# KiCad board rps01.kicad_pcb (continued)
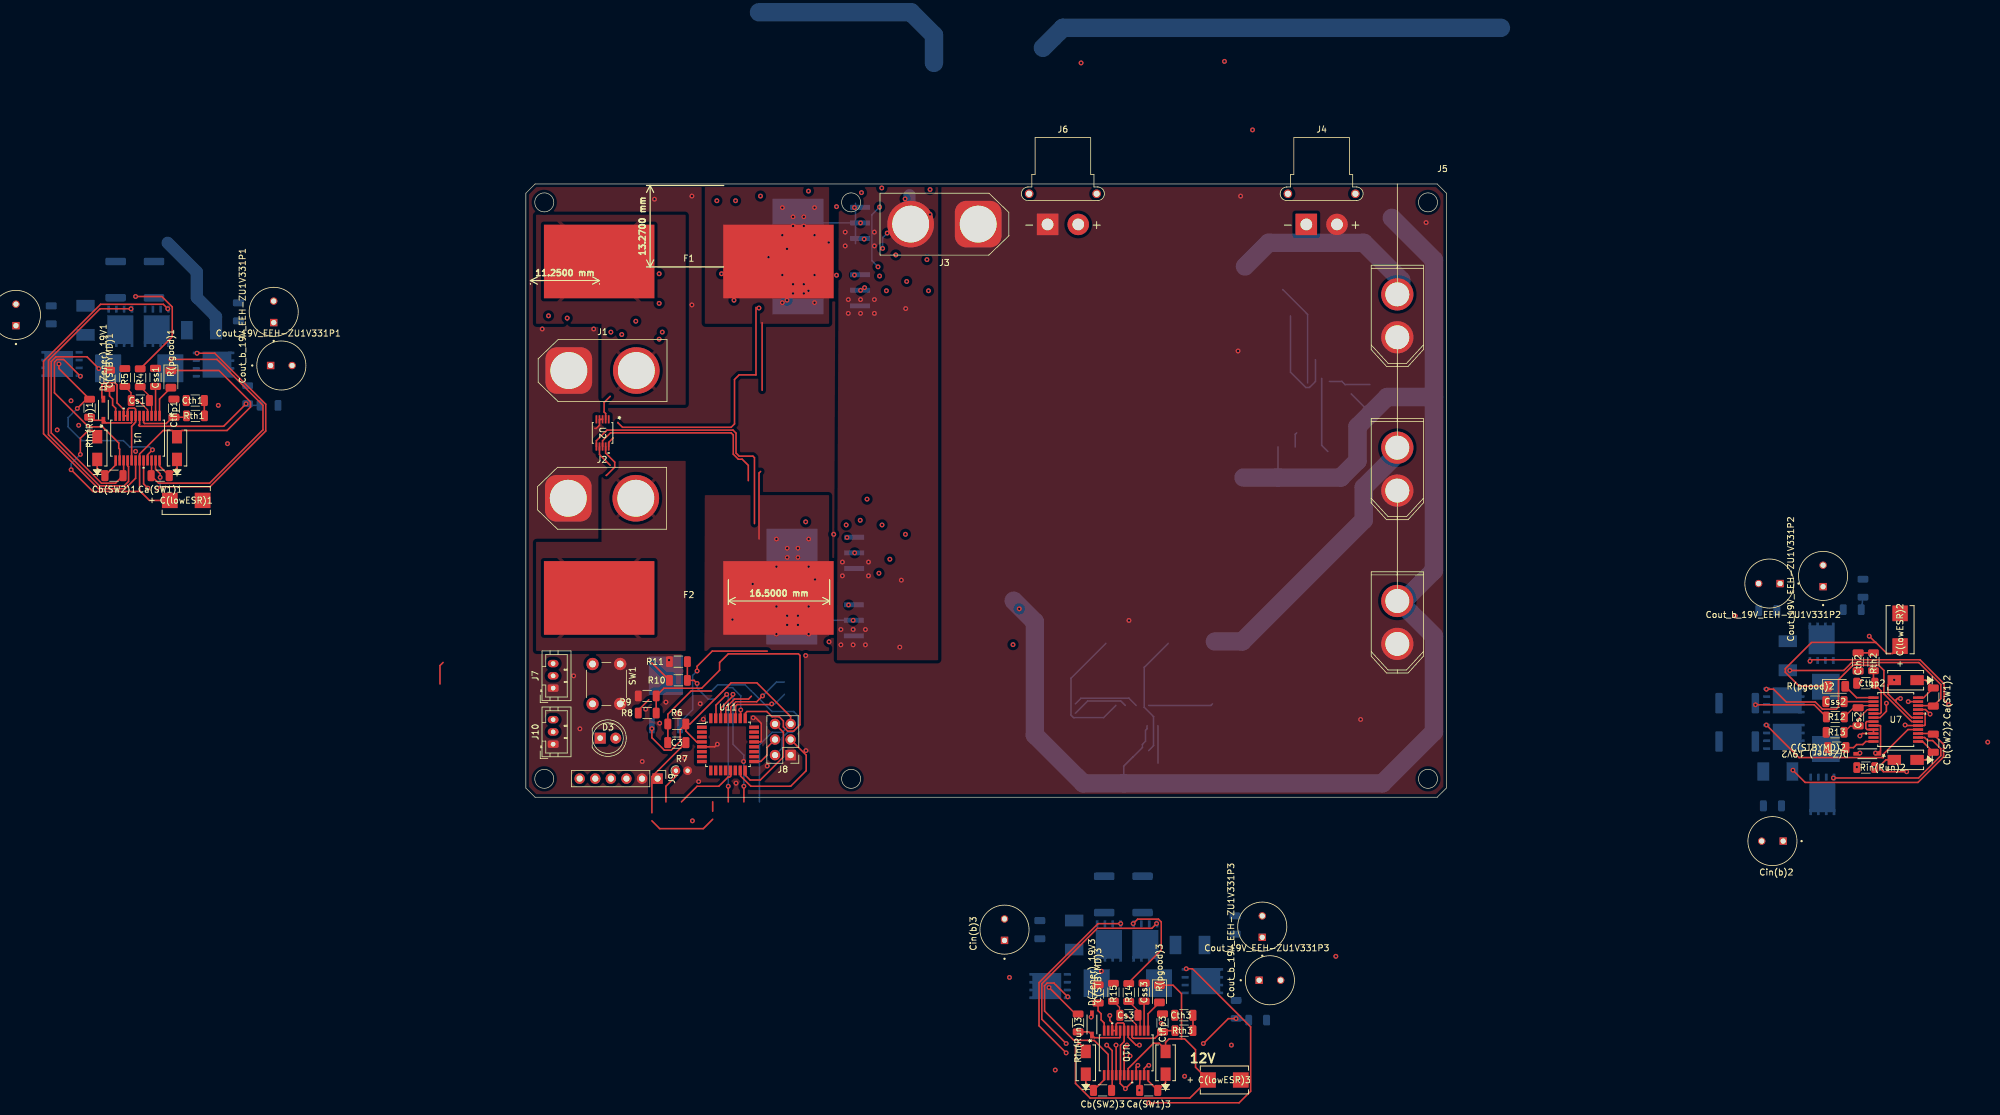
[diagram p0: board, top side]
## Nets
+5V: J7.3 J8.5 J9.3 R6.2 U9.2 U11.4 U11.6
/Load Sharing/V1: F1.2 U2.2 U2.9 U3.2 U3.4 U6.2 U6.4
/Load Sharing/V2: F2.2 U2.7 U4.2 U4.4 U5.2 U5.4
/Microcontroller/VinBat_1: F1.1 J1.2 R8.1
/Microcontroller/VinBat_2: F2.1 J2.2 R10.1
GND: C(lowESR)1.2 C(lowESR)2.2 C(lowESR)3.2 C(STBYMD)1.2 C(STBYMD)2.2 C(STBYMD)3.2 Cc(out)1.2 Cc(out)2.2 Cc(out)3.2 Cin(b)1.2 Cin(b)2.2 Cin(b)3.2 Cin(c)1.2 Cin(c)2.2 Cin(c)3.2 Cout_19V_EEH-ZU1V331P1.2 Cout_19V_EEH-ZU1V331P2.2 Cout_19V_EEH-ZU1V331P3.2 Cout_b_19V_EEH-ZU1V331P1.2 Cout_b_19V_EEH-ZU1V331P2.2 Cout_b_19V_EEH-ZU1V331P3.2 Css1.1 Css2.1 Css3.1 Cth1.2 Cth2.2 Cth3.2 Cthp1.2 Cthp2.2 Cthp3.2 D(Zener)_19V1.2 D(Zener)_19V2.2 D(Zener)_19V3.2 J1.1 J2.1 J3.1 J4.2 J5.1 J5.3 J5.5 J6.1 J7.1 J8.1 J9.2 J10.1 R5.2 R7.2 R9.2 R11.2 R13.2 R15.2 Rb1.2 Rb2.2 Rb3.2 Rs1.2 Rs2.2 Rs3.2 Rsen1.2 Rsen2.2 Rsen3.2 SW1.1 U1.7 U1.9 U1.10 U1.17 U1.20 U2.3 U2.4 U7.7 U7.9 U7.10 U7.17 U7.20 U9.3 U10.7 U10.9 U10.10 U10.17 U10.20 U11.3 U11.5 U11.21
+BATT: Cin(b)1.1 Cin(b)2.1 Cin(b)3.1 Cin(c)1.1 Cin(c)2.1 Cin(c)3.1 J3.2 J5.6 J6.2 QA(1)_19V_2.5 QA(1)_19V_2.6 QA(1)_19V_2.7 QA(1)_19V_2.8 QA(1)_19V_3.5 QA(1)_19V_3.6 QA(1)_19V_3.7 QA(1)_19V_3.8 QA(1)_19V_4.5 QA(1)_19V_4.6 QA(1)_19V_4.7 QA(1)_19V_4.8 Rin(Run)1.1 Rin(Run)2.1 Rin(Run)3.1 U1.21 U2.8 U3.3 U4.3 U5.3 U6.3 U7.21 U9.1 U10.21
/5V Buck/BG1: QC(4)_19V_2.4 U7.18
/5V Buck/BG2: QB(2)_19V_2.4 U7.16
/5V Buck/BOOST1: Ca(SW1)2.1 D4_19V2.1 U7.24
/5V Buck/BOOST2: Cb(SW2)2.2 D5_19V2.1 U7.13
/5V Buck/INTVCC: C(lowESR)2.1 D4_19V2.2 D5_19V2.2 R(pgood)2.1 U7.19
/5V Buck/ITH: Cthp2.1 Rth2.2 U7.5
/5V Buck/PGOOD: R(pgood)2.2 U7.1
/5V Buck/PLLIN: U7.11
/5V Buck/RSENSE: D1(2)_19V2.2 QB(2)_19V_2.1 QB(2)_19V_2.2 QB(2)_19V_2.3 QC(4)_19V_2.1 QC(4)_19V_2.2 QC(4)_19V_2.3 R12.1 Rs2.1 Rsen2.1
/5V Buck/RUN: D(Zener)_19V2.1 Rin(Run)2.2 U7.8
/5V Buck/SENSE+: Cs2.2 R12.2 U7.3
/5V Buck/SENSE-: Cs2.1 R13.1 U7.4
/5V Buck/SS: Css2.2 U7.2
/5V Buck/STBYMD: C(STBYMD)2.1 U7.12
/5V Buck/SW1: Ca(SW1)2.2 D2(1)_19V2.2 L1_19V2.2 QC(4)_19V_2.5 QC(4)_19V_2.6 QC(4)_19V_2.7 QC(4)_19V_2.8 QD(3)_19V_4.1 QD(3)_19V_4.2 QD(3)_19V_4.3 U7.22
/5V Buck/SW2: Cb(SW2)2.1 D1(2)_19V2.1 L1_19V2.1 QA(1)_19V_3.1 QA(1)_19V_3.2 QA(1)_19V_3.3 QB(2)_19V_2.5 QB(2)_19V_2.6 QB(2)_19V_2.7 QB(2)_19V_2.8 U7.15
/5V Buck/TG1: QD(3)_19V_4.4 U7.23
/5V Buck/TG2: QA(1)_19V_3.4 U7.14
/5V Buck/VOSENSE: Rb2.1 Rt2.2 U7.6
/5V Buck/VOUT: Cc(out)2.1 Cout_19V_EEH-ZU1V331P2.1 Cout_b_19V_EEH-ZU1V331P2.1 D2(1)_19V2.1 J5.2 QD(3)_19V_4.5 QD(3)_19V_4.6 QD(3)_19V_4.7 QD(3)_19V_4.8 Rt2.1
/12V Buck Boost/BG1: QC(4)_19V_3.4 U10.18
/12V Buck Boost/BG2: QB(2)_19V_3.4 U10.16
/12V Buck Boost/BOOST1: Ca(SW1)3.1 D4_19V3.1 U10.24
/12V Buck Boost/BOOST2: Cb(SW2)3.2 D5_19V3.1 U10.13
/12V Buck Boost/INTVCC: C(lowESR)3.1 D4_19V3.2 D5_19V3.2 R(pgood)3.1 U10.19
/12V Buck Boost/ITH: Cthp3.1 Rth3.2 U10.5
/12V Buck Boost/PGOOD: R(pgood)3.2 U10.1
/12V Buck Boost/PLLIN: U10.11
/12V Buck Boost/RSENSE: D1(2)_19V3.2 QB(2)_19V_3.1 QB(2)_19V_3.2 QB(2)_19V_3.3 QC(4)_19V_3.1 QC(4)_19V_3.2 QC(4)_19V_3.3 R14.1 Rs3.1 Rsen3.1
/12V Buck Boost/RUN: D(Zener)_19V3.1 Rin(Run)3.2 U10.8
/12V Buck Boost/SENSE+: Cs3.2 R14.2 U10.3
/12V Buck Boost/SENSE-: Cs3.1 R15.1 U10.4
/12V Buck Boost/SS: Css3.2 U10.2
/12V Buck Boost/STBYMD: C(STBYMD)3.1 U10.12
/12V Buck Boost/SW1: Ca(SW1)3.2 D2(1)_19V3.2 L1_19V3.2 QC(4)_19V_3.5 QC(4)_19V_3.6 QC(4)_19V_3.7 QC(4)_19V_3.8 QD(3)_19V_5.1 QD(3)_19V_5.2 QD(3)_19V_5.3 U10.22
/12V Buck Boost/SW2: Cb(SW2)3.1 D1(2)_19V3.1 L1_19V3.1 QA(1)_19V_4.1 QA(1)_19V_4.2 QA(1)_19V_4.3 QB(2)_19V_3.5 QB(2)_19V_3.6 QB(2)_19V_3.7 QB(2)_19V_3.8 U10.15
/12V Buck Boost/TG1: QD(3)_19V_5.4 U10.23
/12V Buck Boost/TG2: QA(1)_19V_4.4 U10.14
/12V Buck Boost/VOSENSE: Rb3.1 Rt3.2 U10.6
/12V Buck Boost/VOUT: Cc(out)3.1 Cout_19V_EEH-ZU1V331P3.1 Cout_b_19V_EEH-ZU1V331P3.1 D2(1)_19V3.1 J5.4 QD(3)_19V_5.5 QD(3)_19V_5.6 QD(3)_19V_5.7 QD(3)_19V_5.8 Rt3.1
/19V Boost/BG1: QC(4)_19V_1.4 U1.18
/19V Boost/BG2: QB(2)_19V_1.4 U1.16
/19V Boost/BOOST1: Ca(SW1)1.1 D4_19V1.1 U1.24
/19V Boost/BOOST2: Cb(SW2)1.2 D5_19V1.1 U1.13
/19V Boost/INTVCC: C(lowESR)1.1 D4_19V1.2 D5_19V1.2 R(pgood)1.1 U1.19
/19V Boost/ITH: Cthp1.1 Rth1.2 U1.5
/19V Boost/PGOOD: R(pgood)1.2 U1.1
/19V Boost/Rsense: D1(2)_19V1.2 QB(2)_19V_1.1 QB(2)_19V_1.2 QB(2)_19V_1.3 QC(4)_19V_1.1 QC(4)_19V_1.2 QC(4)_19V_1.3 R4.1 Rs1.1 Rsen1.1
/19V Boost/Run: D(Zener)_19V1.1 Rin(Run)1.2 U1.8
/19V Boost/SENSE+: Cs1.2 R4.2 U1.3
/19V Boost/SENSE-: Cs1.1 R5.1 U1.4
/19V Boost/SS: Css1.2 U1.2
/19V Boost/STBYMD: C(STBYMD)1.1 U1.12
/19V Boost/SW1: Ca(SW1)1.2 D2(1)_19V1.2 L1_19V1.2 QC(4)_19V_1.5 QC(4)_19V_1.6 QC(4)_19V_1.7 QC(4)_19V_1.8 QD(3)_19V_3.1 QD(3)_19V_3.2 QD(3)_19V_3.3 U1.22
/19V Boost/SW2: Cb(SW2)1.1 D1(2)_19V1.1 L1_19V1.1 QA(1)_19V_2.1 QA(1)_19V_2.2 QA(1)_19V_2.3 QB(2)_19V_1.5 QB(2)_19V_1.6 QB(2)_19V_1.7 QB(2)_19V_1.8 U1.15
/19V Boost/TG1: QD(3)_19V_3.4 U1.23
/19V Boost/TG2: QA(1)_19V_2.4 U1.14
/19V Boost/VOSENSE: Rb1.1 Rt1.2 U1.6
/19V Boost/Vout: Cc(out)1.1 Cout_19V_EEH-ZU1V331P1.1 Cout_b_19V_EEH-ZU1V331P1.1 D2(1)_19V1.1 J4.1 QD(3)_19V_3.5 QD(3)_19V_3.6 QD(3)_19V_3.7 QD(3)_19V_3.8 Rt1.1
/Load Sharing/G1: U2.10 U3.1 U6.1
/Load Sharing/G2: U2.6 U4.1 U5.1
/Microcontroller/DTR: C3.2 J9.6
/Microcontroller/MISO: J8.6 U11.16
/Microcontroller/MOSI: J8.3 U11.15
/Microcontroller/RESET: C3.1 J8.2 R6.1 SW1.2 U11.29
/Microcontroller/RX: J9.4 U11.30
/Microcontroller/SCK: J8.4 U11.17
/Microcontroller/SCL: J10.3 U11.28
/Microcontroller/SDA: J10.2 U11.27
/Microcontroller/TEMP_SENSOR_DAT: J7.2 U11.9
/Microcontroller/TX: J9.5 U11.31
/Microcontroller/Voltmeter_1: R8.2 R9.1 U11.25
/Microcontroller/Voltmeter_2: R10.2 R11.1 U11.26
Net-(Cth1-Pad1): Cth1.1 Rth1.1
Net-(Cth2-Pad1): Cth2.1 Rth2.1
Net-(Cth3-Pad1): Cth3.1 Rth3.1
Net-(D3-A): D3.2 U11.13
Net-(D3-K): D3.1 R7.1

Pads without a net: J9 1; U1 11; U2 1 5; U11 1 2 7 8 10 11 12 14 18 19 20 22 23 24 32

## Via types
v1: diameter 0.8, hole 0.4, Top to Bottom, 240 vias

## Routing (per net, layer and track width the routed paths; a pad name or vN(x,y) marks a point on that pad's centre or on a via; arc(x,y) is an arc through that point)
+5V: length 54.4
  Top w0.25: U11.4 27.84,9.02 26.06,10.79 R6.2 ; J8.5 43.14,13.15 37.65,18.64 33.44,18.64 26.75,11.95 R6.2 ; R6.2 25.16,11.04 25.16,9.14 23.69,7.68 22.56,7.68 20.54,9.7 v1(20.54,11.19)
  Bottom w0.25: 38.06,-0.75 38.06,8.53 40.12,10.58 41.78,10.58 J8.5
/Load Sharing/V1: length 42.1
  Top w0.25: U2.9 13,56.12 14.48,54.64 14.48,53.82 13.13,52.48 13.09,52.48 ; 13.75,65.37 12.75,64.37 12.75,62.83 13,62.58 U2.2 ; 38.5,77.37 38.5,66.37
  Bottom w0.25: v1(57.64,96.24) 56.39,94.99 56.39,87.49 v1(57.39,86.49) ; v1(54.54,93.65) U3.4
  vias: v1(13.85,75.84) v1(15.63,75.45) v1(17.91,77.62) v1(21.72,74.69) v1(22.23,75.84) v1(39.54,88.06) v1(41.79,96.15) v1(41.79,91.65) v1(41.79,85.15) v1(41.79,80.65) v1(43.54,94.65) v1(43.54,93.15) v1(43.54,83.65) v1(43.54,82.15) v1(45.29,94.65) v1(45.29,93.15) v1(45.29,83.65) v1(45.29,82.15) v1(47.04,96.15) v1(47.04,91.65) v1(47.04,85.15) v1(47.04,80.65) v1(54.54,82.65) v1(57.99,99.35) v1(61.55,94.52) v1(61.8,97.57) v1(65.86,99.09) v1(65.86,95.03)
/Load Sharing/V2: length 26.9
  Top w0.25: 38,42.12 38,52.87 38.25,53.12 ; 32.65,27.39 32.65,27.95 33.66,28.97 ; U2.7 12,55.87 13.75,54.12
  Bottom w0.25: v1(53.33,28.85) U5.4
  vias: v1(40.83,42.1) v1(40.83,37.6) v1(40.83,31.1) v1(40.83,26.6) v1(42.58,40.6) v1(42.58,39.1) v1(42.58,29.6) v1(42.58,28.1) v1(44.33,40.6) v1(44.33,39.1) v1(44.33,29.6) v1(44.33,28.1) v1(46.08,42.1) v1(46.08,37.6) v1(46.08,31.1) v1(46.08,26.6) v1(53.58,39.85) v1(57.53,36.52) v1(57.64,84.99) v1(58.04,44.4) v1(58.75,82.58) v1(59.31,38.81) v1(60.28,88.43) v1(61.85,42.87) v1(62.05,84.11) v1(65.36,87.66) v1(65.61,82.58) v1(79.38,24.88) v1(80.4,30.72)
/Microcontroller/VinBat_1: length 2.4
  Top w0.25: 18.31,14.18 20.03,15.89
/Microcontroller/VinBat_2: length 7.7
  Top w0.25: 20.54,21.92 R10.1 ; -13.49,21.97 -13.99,21.46 -13.99,18.48
GND: length 70.7
  Top w0.25: v1(37.05,12.96) 37.44,12.96 38.36,12.05 38.36,9.12 38.26,9.02 U11.21 ; U7.20 227.93,13.64 228,13.56 228,11.8 227.9,11.69 U7.17 224.83,11.69 v1(224.75,11.78) ; U10.20 98.79,-46.43 v1(97.69,-47.53) 96.84,-46.68 U10.17 96.89,-45.27 96.89,-40.45 97.49,-39.85 U10.7 97.49,-36.98 97.32,-36.81 96.4,-36.81 96.19,-37.02 U10.9 U10.10 95.54,-36.8 95.15,-36.41 v1(95.15,-35.59) ; U1.17 -64.24,60.48 -63.79,60.93 -63.79,60.98 -63.59,61.18 U1.7 -63.59,63.26 -63.76,63.44 -64.68,63.44 -64.89,63.23 U1.9 U1.10 -65.54,63.23 -66.62,64.3 -66.62,67.25 -66.95,67.59 -68.73,67.59 -69.09,67.23 -69.09,65.16 D(Zener)_19V1.2 ; 11.25,60.14 11.47,60.14 12,60.66 U2.4 U2.3 ; v1(217.38,10) 217.77,10.39 U7.10 U7.9 218.55,11.04 218.34,11.25 218.34,12.16 218.51,12.34 U7.7 ; v1(31.21,8.65) 30.78,8.22 U11.5 ; U1.20 -62.29,51.1 v1(-61.59,50.4)
  vias: v1(-76.36,59.9) v1(-74.11,64.65) v1(-72.86,60.65) v1(-63.59,56.4) v1(-50.11,63.9) v1(-48.61,57.65) v1(2.67,76.35) v1(3.69,78.5) v1(6.74,78.13) v1(7.79,19.8) v1(8.81,11.16) v1(10.04,85.61) v1(11.06,76.35) v1(18.97,5.83) v1(19.52,14.36) v1(20.96,97.52) v1(21.72,85.36) v1(21.72,80.53) v1(21.81,12.08) v1(22.82,15.5) v1(23.33,22.36) v1(24.86,13.73) v1(25.87,6.36) v1(27.06,98.03) v1(27.06,80.28) v1(27.14,-3.85) v1(28.16,2.55) v1(28.41,15.25) v1(28.92,12.71) v1(31.12,97.27) v1(31.88,85.36) v1(34.25,2.3) v1(35.48,5.83) v1(36.96,34.78) v1(39.33,5.09) v1(45.59,44.91) v1(45.6,23.1) v1(45.64,7.6) v1(46.05,98.84) v1(46.05,82.58) v1(47.12,35.51) v1(49.35,90.46) v1(49.41,25.35) v1(50.17,42.87) v1(50.62,96.3) v1(50.62,85.12) v1(52.2,44.4) v1(54.48,45.16) v1(54.69,98.59) v1(55.14,91.01) v1(55.19,83.09) v1(55.6,48.6) v1(78.8,-29.39) v1(86.26,-44.48) v1(90.47,119.74) v1(92.1,-35.85) v1(93.79,-28.37) v1(98.27,28.83) v1(98.45,-42.2) v1(103.53,-36.86) v1(107.34,-45.5) v1(113.84,119.99) v1(114.96,-40.42) v1(116.05,72.77) v1(116.23,-46.26) v1(116.47,98.03) v1(118.41,108.82) v1(131.98,-25.94) v1(136.02,12.68) v1(146.69,93.71) v1(197.06,29.56) v1(217.38,18.89) v1(217.38,7.21) v1(238.21,8.98)
+BATT: length 503.1
  Top w0.25: v1(-76.09,70.65) -76.09,69.9 Rin(Run)1.1 ; v1(-60.84,56.65) -61.64,55.85 U1.21 ; v1(-73.09,63.4) -71.59,64.9 ; U7.21 228.08,14.29 v1(228.81,13.56) ; U2.8 12.5,58.12 13.8,59.42 33.45,59.42 33.8,59.07 33.8,55.93 34.61,55.12 35.25,55.12 36.25,54.12 36.25,51.62 ; v1(99.72,-43.72) 99.44,-44 U10.21 ; 39.33,23.83 30.38,23.83 27.9,21.35 v1(27.9,20.58) ; 89.57,-35.35 v1(85.25,-31.02) ; 37.5,79.87 37.5,68.87 34.75,68.87 34,68.12 34,60.87 33.45,60.32 15.75,60.32 15,61.07 15,61.12
  Bottom w0.25: v1(-60.84,56.65) -61.31,57.12 -64.56,57.12 -65.59,58.15 -72.34,58.15 -74.59,60.4 -74.59,61.9 v1(-73.09,63.4) ; 134.5,65.77 137.68,62.59 ; 122.56,57.13 122.56,52.13 ; 53.72,90.28 53.72,96.86 ; v1(27.9,20.58) 27.18,19.86 27.18,14.27 24.86,11.95 ; 101.23,11.67 101.23,11.16 100.97,10.91 100.97,9.13 100.46,8.62 100.46,8.1 98.95,6.59 98.94,6.59 97.42,5.06 97.42,2.27 ; 57.02,78.67 v1(56.79,78.9)
  Bottom w2: 62.51,96.41 62.51,98.16
  Bottom w3: 147.96,65.26 140.34,65.26 135.52,60.44 135.52,54.85 132.8,52.13 116.95,52.13 ; 147.96,65.26 147.96,87.61 141.1,94.47 ; 147.96,65.26 147.96,36.96 142.63,31.62 147.96,26.29 147.96,10.65 139.58,2.27 90.81,2.27 82.94,10.14 82.94,28.6 79.5,32.04 ; 158.88,125.46 87.51,125.46 84.26,122.21 ; 66.5,119.75 66.5,124.25 62.75,128 38,128
  vias: v1(33.66,28.97) v1(33.92,81.04) v1(34.17,97.27) v1(37.98,79.77) v1(38.23,98.03) v1(42.55,89.42) v1(42.55,81.04) v1(51.33,27.35) v1(51.33,24.85) v1(51.58,38.35) v1(51.58,36.1) v1(52.04,92.15) v1(52.04,89.9) v1(52.54,81.15) v1(52.54,78.9) v1(53.33,27.35) v1(53.33,24.85) v1(54.54,81.15) v1(54.54,78.9) v1(55.33,27.35) v1(55.33,24.85) v1(55.83,38.35) v1(55.83,36.1) v1(56.79,92.15) v1(56.79,89.9) v1(56.79,81.15) v1(60.93,24.47) v1(61.18,35.4) v1(61.89,79.68) v1(62.4,93.14) v1(216.87,4.92)
/5V Buck/BG1: length 37.7
  Top w0.25: v1(202.14,17.62) 203.3,17.62 205.39,15.53 210.11,15.53 211.28,14.36 213.54,14.36 213.89,14.71 213.89,19.18 216.23,21.51 220.45,21.51 221.29,20.68 221.29,16.86 225.81,12.34 U7.18
/5V Buck/BG2: length 29.1
  Top w0.25: U7.16 225.22,11.04 221.2,7.02 221.2,6.46 207.45,6.46 v1(202.14,11.78)
/5V Buck/BOOST1: length 6.3
  Top w0.25: D4_19V2.1 228.06,19.09 Ca(SW1)2.1 227.77,16.24 U7.24
/5V Buck/BOOST2: length 6.4
  Top w0.25: D5_19V2.1 228.09,6.09 Cb(SW2)2.2 227.59,9.09 U7.13
/5V Buck/INTVCC: length 80.2
  Top w0.25: v1(218.9,26.26) 219.92,25.24 219.98,25.24 ; C(lowESR)2.1 222.73,23.44 221.78,23.44 219.98,25.24 ; 222.78,19.09 221.97,18.28 221.97,16.83 223.22,15.58 ; 219.98,25.24 209.5,25.24 205.22,20.97 205.22,20.37 207.5,18.09 R(pgood)2.1 ; U7.19 225.81,12.99 223.22,15.58 ; 223.22,15.58 223.22,15.81 223.5,16.1 v1(223.98,16.1) ; D5_19V2.2 221.6,6.09 220.69,5.17 220.69,4.67 221.2,4.16 v1(225,4.16)
  Bottom w0.25: 129.67,68.31 129.67,57.39 130.69,56.37 ; 128.66,71.36 128.66,67.79 127.69,66.82 127.09,66.82 124.59,69.32 124.59,78.47
  vias: v1(222.97,19.14)
/5V Buck/ITH: length 8.1
  Top w0.25: Rth2.2 219.59,18.81 ; U7.5 220.67,13.64 220.84,13.81 220.84,17.34 219.81,18.36
/5V Buck/PGOOD: length 5.4
  Top w0.25: U7.1 216.84,16.24 R(pgood)2.2
/5V Buck/RSENSE: length 12.4
  Top w0.25: v1(200.36,15.08) 209.92,15.08 R12.1
/5V Buck/RUN: length 8.6
  Top w0.25: v1(219.92,7.21) 220.74,7.51 220.74,11.61 220.67,11.69 U7.8
  Bottom w0.25: 125.36,57.13 125.36,59.17 125.61,59.42
  vias: v1(219.66,4.92)
/5V Buck/SENSE+: length 4.3
  Top w0.2: R12.2 216.34,14.59 ; U7.3 217.44,14.94
/5V Buck/SENSE-: length 6.9
  Top w0.2: Cs2.1 217.09,12.78 218.6,14.29 U7.4 ; R13.1 215.8,11.59 217.04,11.59
/5V Buck/SS: length 4.8
  Top w0.25: U7.2 214.79,15.59
/5V Buck/STBYMD: length 4.9
  Top w0.25: C(STBYMD)2.1 216.34,8.09 216.84,8.59 217.84,8.59 218.34,9.09 U7.12
/5V Buck/SW1: length 33.1
  Top w0.25: U7.22 229.26,14.94 ; Ca(SW1)2.2 230.56,16.09 230.56,18.38 226.98,21.96 216.04,21.96 214.75,20.67 v1(205.95,20.67)
/5V Buck/SW2: length 33.9
  Top w0.25: v1(206.46,4.41) 208.45,2.42 226.84,2.42 231.01,6.59 231.01,8.61 Cb(SW2)2.1 ; 229.24,10.39 U7.15
/5V Buck/TG1: length 35.7
  Top w0.25: v1(225.25,15.59) 226.85,15.59 ; v1(231.86,15.08) 231.09,15.84 231.09,18.48 227.16,22.41 209.47,22.41 v1(209.25,22.19)
  Bottom w0.25: 130.94,67.8 132.98,67.8 133.48,67.29 137.55,67.29
/5V Buck/TG2: length 24.6
  Top w0.25: v1(213.06,3.14) 226.93,3.14 230.56,6.77 230.56,7.9 229.23,9.24 228.43,9.24 227.93,9.74 U7.14
/5V Buck/VOSENSE: length 22.8
  Top w0.25: U7.6 220.67,12.99 221.7,14.02 v1(221.7,15.33)
  Bottom w0.25: Rb2.1 217.63,30.57 ; 127.39,67.55 127.39,78.72 123.32,82.79
/5V Buck/VOUT: length 32.3
  Bottom w3: 142.63,81.62 142.63,84.31 136.53,90.41 121.04,90.41 117.18,86.55
/12V Buck Boost/BG1: length 50
  Top w0.25: v1(97.95,-40.42) 97.49,-40.87 U10.18 ; v1(102.77,-20.61) 102.01,-21.37 93.12,-21.37 84.07,-30.42 84.07,-36.2 v1(88.04,-40.17)
  Bottom w0.25: 99.45,14.97 98.27,16.14 90.46,16.14 89.54,15.22
/12V Buck Boost/BG2: length 44.8
  Top w0.25: v1(88.04,-41.69) 83.62,-37.27 83.62,-30.23 93.25,-20.61 v1(96.93,-20.61) ; v1(96.17,-40.42) 96.19,-40.44 U10.16
  Bottom w0.25: 97.67,14.97 96.94,15.69 91.54,15.69 89.54,13.7
/12V Buck Boost/BOOST1: length 6.3
  Top w0.25: U10.24 101.39,-46.24 Ca(SW1)3.1 104.24,-46.53 D4_19V3.1
/12V Buck Boost/BOOST2: length 6.4
  Top w0.25: U10.13 94.24,-46.06 Cb(SW2)3.2 91.24,-46.56 D5_19V3.1
/12V Buck Boost/INTVCC: length 66.1
  Top w0.25: U10.19 98.14,-44.25 102.28,-40.11 103.18,-40.11 104.24,-41.18 ; R(pgood)3.1 105.46,-30.66 106.84,-32.04 106.84,-39.4 ; 111.2,-46.11 109.12,-44.03 109.12,-41.18 107.34,-39.4 106.84,-39.4 ; 106.84,-39.4 104.8,-39.4 104.24,-39.97 D4_19V3.2 ; C(lowESR)3.1 108.2,-49.06 91.95,-49.06 89.56,-46.67 89.56,-40.66 90.11,-40.11 90.18,-40.11 91.24,-41.18
/12V Buck Boost/ITH: length 8.1
  Top w0.25: Rth3.2 103.97,-38.06 ; U10.5 98.79,-39.13 98.97,-39.31 102.49,-39.31 103.52,-38.28
/12V Buck Boost/PGOOD: length 5.4
  Top w0.25: U10.1 101.39,-35.31 R(pgood)3.2
/12V Buck Boost/RSENSE: length 16.8
  Top w0.25: 98.45,-30.01 103.53,-24.93 103.53,-20.34 103.07,-19.88 99.69,-19.88 v1(98.96,-20.61)
/12V Buck Boost/RUN: length 8.3
  Top w0.25: Rin(Run)3.2 91.73,-38.27 D(Zener)_19V3.1 92.67,-39.21 96.77,-39.21 96.84,-39.13 U10.8
/12V Buck Boost/SENSE+: length 4.3
  Top w0.2: R14.2 99.74,-34.81 ; U10.3 100.09,-35.91
/12V Buck Boost/SENSE-: length 6.9
  Top w0.2: 96.74,-35.51 96.74,-34.27 R15.1 ; Cs3.1 97.93,-35.56 99.44,-37.07 U10.4
/12V Buck Boost/SS: length 4.8
  Top w0.25: U10.2 100.74,-33.26
/12V Buck Boost/STBYMD: length 4.9
  Top w0.25: C(STBYMD)3.1 93.24,-34.81 93.74,-35.31 93.74,-36.31 94.24,-36.81 U10.12
/12V Buck Boost/SW1: length 22.5
  Top w0.25: U10.22 v1(99.98,-47.79)
  Bottom w0.25: 101.48,7.6 102.28,8.4 102.28,13.15 100.75,14.67 100.75,21.17 104.67,25.08
/12V Buck Boost/SW2: length 7.7
  Top w0.25: 95.54,-47.71 U10.15 95.54,-41.32 v1(94.64,-40.42)
/12V Buck Boost/TG1: length 50.4
  Top w0.25: v1(107.6,-27.97) 108.62,-27.97 118.1,-37.45 118.1,-47.95 116.23,-49.82 v1(101.5,-49.82) ; v1(101.5,-43.72) 101.27,-43.72 100.74,-44.25 U10.23
  Bottom w0.25: 103,5.57 103,11.67
/12V Buck Boost/TG2: length 25.7
  Top w0.25: U10.14 94.89,-41.94 92.62,-39.66 91.62,-39.66 91.6,-39.65 89.3,-39.65 84.52,-34.87 84.52,-30.72 84.95,-30.3 86.05,-30.3 v1(88.29,-32.55)
/12V Buck Boost/VOSENSE: length 22.7
  Top w0.25: v1(99.98,-40.42) 99.43,-40.42 98.14,-39.13 U10.6 ; v1(110.39,-40.17) 114.46,-36.1 v1(115.73,-36.1)
  Bottom w0.25: 111.89,15.22 111.64,14.97 101.48,14.97 ; Rb3.1 116.03,-36.35
/12V Buck Boost/VOUT: length 68.8
  Bottom w0.25: 96.15,14.97 94.15,12.97 89.24,12.97 88.82,13.4 88.82,19.38 94.52,25.08
  Bottom w3: 112.29,25.39 116.73,25.39 136.53,45.2 136.53,50.53 142.63,56.62
/19V Boost/BG1: length 58.5
  Top w0.25: U1.18 -63.59,52.01 -65.29,50.31 -69.64,50.31 -78.59,59.26 -78.59,71.08 -69.3,80.38 -59.06,80.38 v1(-58.34,79.65)
/19V Boost/BG2: length 49.4
  Top w0.25: v1(-64.34,79.65) -69.39,79.65 -77.79,71.25 -77.79,59.1 -69.45,50.76 -65.48,50.76 -64.74,51.5 -64.74,53.89 -64.89,54.04 U1.16
/19V Boost/BOOST1: length 6.3
  Top w0.25: U1.24 -59.69,54.01 Ca(SW1)1.1 -56.84,53.71 D4_19V1.1
/19V Boost/BOOST2: length 6.4
  Top w0.25: U1.13 -66.84,54.19 Cb(SW2)1.2 -69.84,53.69 D5_19V1.1
/19V Boost/INTVCC: length 72
  Top w0.25: -69.84,58.99 -70.65,59.81 -71.3,59.81 -72.59,58.52 v1(-72.59,55.9) ; R(pgood)1.1 -50,69.59 -44.86,64.45 -44.86,63.62 -48.68,59.81 -56.03,59.81 -56.84,58.99 -57.65,59.81 -59.1,59.81 -62.94,55.96 U1.19 -62.94,50 -62.47,49.53 ; C(lowESR)1.1 -61.34,48.4 -62.47,49.53 ; -62.47,49.53 -62.8,49.86 -70.55,49.86 v1(-74.09,53.4)
  Bottom w0.25: v1(-74.09,53.4) -74.09,54.4 v1(-72.59,55.9)
/19V Boost/ITH: length 8.1
  Top w0.25: -57.56,61.96 -58.59,60.94 -62.11,60.94 -62.29,61.11 U1.5 ; Cthp1.1 -55.53,61.96
/19V Boost/PGOOD: length 5.4
  Top w0.25: R(pgood)1.2 -59.69,64.94 U1.1
/19V Boost/Rsense: length 18.9
  Top w0.25: R4.1 -57.62,75.09 -57.62,79.95 -59.31,81.65 v1(-63.59,81.65)
/19V Boost/Run: length 8.3
  Top w0.25: Rin(Run)1.2 -70.58,61.46 D(Zener)_19V1.1 -68.41,61.04 -64.31,61.04 -64.24,61.11 U1.8
/19V Boost/SENSE+: length 4.3
  Top w0.2: R4.2 -61.34,65.44 ; U1.3 -60.99,64.34
/19V Boost/SENSE-: length 6.9
  Top w0.2: U1.4 -61.64,63.18 -63.15,64.69 Cs1.1 ; -64.34,64.74 -64.34,65.97 R5.1
/19V Boost/SS: length 4.8
  Top w0.25: U1.2 -60.34,66.99
/19V Boost/STBYMD: length 4.9
  Top w0.25: U1.12 -66.84,63.44 -67.34,63.94 -67.34,64.94 -67.84,65.44 C(STBYMD)1.1
/19V Boost/SW1: length 46.8
  Top w0.25: v1(-57.84,71.4) -50.34,71.4 -42.84,63.9 -42.84,59.9 -51.53,51.21 -59.84,51.21 Ca(SW1)1.2 ; U1.22 -60.99,52.51
/19V Boost/SW2: length 38.5
  Top w0.25: v1(-69.59,69.9) -71.52,71.83 -76.58,71.83 -77.34,71.06 -77.34,59.4 -69.15,51.21 -66.87,51.21 Cb(SW2)1.1 ; -65.54,52.54 U1.15
/19V Boost/TG1: length 45.6
  Top w0.25: v1(-53.59,72.4) -50.7,72.4 -42.39,64.09 -42.39,59.71 -51.48,50.62 -59.87,50.62 v1(-60.09,50.4) ; U1.23 -60.34,53.5 -59.59,52.75 v1(-59.59,52.15)
  Bottom w0.25: v1(-59.59,52.15) -59.59,50.9 v1(-60.09,50.4)
/19V Boost/TG2: length 27.3
  Top w0.25: v1(-72.59,68.65) -75.31,71.38 -76.39,71.38 -76.81,70.95 -76.81,65.95 -71.27,60.4 -68.97,60.4 -66.34,57.77 -66.34,56.91 -66.19,56.76 U1.14
/19V Boost/VOSENSE: length 22.4
  Top w0.25: U1.6 -62.94,60.8 -63.09,60.65 -62.93,60.49 -49.25,60.49 v1(-45.59,64.15)
  Bottom w0.25: Rb1.1 -45.05,63.9
/19V Boost/Vout: length 17.5
  Bottom w2: -58.36,90.4 -53.61,85.65 -53.61,81.48 -50.49,78.36 D2(1)_19V1.1
/Load Sharing/G1: length 4.6
  Top w0.25: U2.10 13.5,57.87 14.25,58.62
  Bottom w0.25: v1(58.89,91.99) 58.14,91.24 v1(58.14,89.49)
  vias: v1(53.54,96.15) v1(53.54,85.15)
/Load Sharing/G2: length 41.9
  Top w0.25: U2.6 11.5,58.14 13.22,59.87 33.75,59.87 34.25,59.37 34.25,56.12 34.75,55.62 37,55.62 37.25,55.37 37.25,44.62
  vias: v1(52.33,42.35) v1(52.58,31.35)
/Microcontroller/DTR: length 26.3
  Top w0.25: C3.2 20.54,3.36 20.54,-2.53 ; 30.44,-0.75 30.44,-2.28 ; 20.54,-3.85 21.81,-5.12 28.92,-5.12 30.44,-3.6
/Microcontroller/MISO: length 14.8
  Top w0.25: 35.78,4.4 35.78,3.56 36.54,2.8 38.2,2.8 41.97,6.57 41.97,10.58 J8.6
/Microcontroller/MOSI: length 19.5
  Top w0.25: J8.3 45.68,6.87 45.68,4.33 43.14,1.79 36.67,1.79 34.98,3.47 34.98,4.4
/Microcontroller/RESET: length 44.2
  Top w0.25: 30.24,17.32 26.92,17.32 23.14,13.53 R6.1 23.14,8.91 ; 36.74,16.47 36.29,16.01 34.01,16.01 32.58,14.58 32.58,13.66
  Bottom w0.25: J8.2 41.78,8.04 41.78,9.71 42.66,10.58 43.44,10.58 44.32,11.46 44.32,13.31 43.65,13.98 40.08,13.98 35.74,18.32 31.24,18.32 30.24,17.32
/Microcontroller/RX: length 22.2
  Top w0.25: v1(33.75,16.77) 33.75,16.52 31.78,14.56 31.78,13.66 ; 35.52,-0.75 v1(35.52,1.79)
  Bottom w0.25: v1(35.52,1.79) 35.52,6.87 33.75,8.65 v1(33.75,16.77)
/Microcontroller/SCK: length 5.6
  Top w0.25: J8.4 39.33,8.14 39.33,6.9 38.28,5.85 37.23,5.85
/Microcontroller/SCL: length 11.5
  Top w0.25: v1(38.57,16.52) 37.61,15.56 34.24,15.56 33.38,14.71 33.38,13.66
  Bottom w0.25: 42.13,18.77 40.83,18.77 v1(38.57,16.52)
/Microcontroller/SDA: length 9.9
  Top w0.25: 34.18,13.66 34.18,14.87 34.42,15.11 39.96,15.11 v1(40.06,15.21)
  Bottom w0.25: 42.13,16.77 40.57,15.21 v1(40.06,15.21)
/Microcontroller/TX: length 21.5
  Top w0.25: v1(32.73,16.77) 30.98,15.03 30.98,13.66 ; 32.98,-0.75 v1(32.98,1.79)
  Bottom w0.25: v1(32.73,16.77) 32.98,16.52 v1(32.98,1.79)
/Microcontroller/Voltmeter_1: length 53.4
  Top w0.25: 35.78,12.9 35.78,13.73 36.03,13.98 39.26,13.98 40.12,13.12 41.28,13.12 41.97,12.44 41.97,11.46 42.66,10.77 43.63,10.77 44.67,11.81 44.67,23.12 44.41,23.38 32.98,23.38 31.57,21.96 31.57,20.69 28.64,17.77 22.49,17.77 R9.1 R8.2
/Microcontroller/Voltmeter_2: length 18.4
  Top w0.25: R11.1 R10.2 27.4,19.06 v1(27.9,18.55) ; 34.98,14.2 34.98,12.9
  Bottom w0.25: v1(27.9,18.55) 27.9,17.78 29.69,15.99 30.79,15.99 32.67,17.87 33.68,17.87 35.02,16.53 v1(35.02,14.23)
Net-(Cth1-Pad1): length 2.5
  Top w0.25: Cth1.1 -52.39,62.2
Net-(Cth2-Pad1): length 2.5
  Top w0.25: Rth2.1 217.1,23.55
Net-(Cth3-Pad1): length 2.5
  Top w0.25: Rth3.1 108.7,-35.57
Net-(D3-A): length 10.7
  Top w0.25: 25.36,-0.75 27.9,1.79 31.45,1.79 32.94,3.28 33.2,3.28 33.38,3.46 33.38,4.4
Net-(D3-K): length 5.8
  Top w0.25: 22.82,-0.75 22.82,1.79 24.46,3.42 R7.1

## Copper pours and planes (outline as drawn; the poured copper is in the pictures)
/Load Sharing/V1 on Top, Bottom: 29.16,99.66 49.41,99.66 49.41,77.2 29.16,77.2
/Load Sharing/V2 on Top, Bottom: 29.16,49.26 49.41,49.26 49.41,23.86 29.09,23.86
/Microcontroller/VinBat_1 on Top: 1.66,94.98 1.66,77.2 12.33,77.2 12.33,63.99 26.04,63.99 26.04,94.98
/Microcontroller/VinBat_2 on Top: 1.66,23.86 1.66,41.64 12.33,41.64 12.33,54.85 26.04,54.85 26.04,23.86
GND on Top, Bottom: 191.88,39.09 236.63,39.09 236.63,-7.91 191.88,-7.91
GND on Top, Bottom: 51,100 0,100 0,22.09 50.69,22.34
GND on Top, Bottom: -36.84,89.9 -36.84,45.15 -83.84,45.15 -83.84,89.9
GND on Top, Bottom: -54.73,34.02 -24.25,34.02 -24.25,6.08 -54.73,6.08
GND on Top, Bottom: 124.24,-10.35 124.24,-55.1 77.24,-55.1 77.24,-10.35
GND on Top, Bottom: 151.5,-1 151.5,100.5 -1,100.5 -1,-1
GND on Bottom: -83.99,65.15 -39.49,65.15 -39.49,89.9 -83.99,89.9
+BATT on Top, Bottom: 51,100 50.69,22.34 67.19,22.34 67.19,100.06
+BATT on Bottom: -81.11,65.9 -81.11,78.4 -87.11,78.4 -87.11,65.9
+BATT on Bottom: 215.88,2.19 215.88,-8.56 203.38,-8.56 203.38,2.19
+BATT on Bottom: 87.34,-34.35 76.59,-34.35 76.59,-21.85 87.34,-21.85
+BATT on Bottom: -73.74,65.9 -84.49,65.9 -84.49,78.4 -73.74,78.4
/5V Buck/RSENSE on Bottom: 202.62,0.19 202.62,26.94 197.63,26.94 197.63,0.19
/5V Buck/SW1 on Bottom: 215.88,22.94 202.88,22.94 202.88,12.94 215.88,12.94
/5V Buck/SW2 on Bottom: 215.88,2.44 203.13,2.44 203.13,12.69 215.88,12.69
/5V Buck/VOUT on Bottom: 215.88,39.59 212.63,39.59 212.63,35.84 215.88,35.84
/5V Buck/VOUT on Bottom: 215.88,23.19 202.88,23.19 202.88,36.19 215.88,36.19
/12V Buck Boost/RSENSE on Bottom: 85.34,-21.09 112.09,-21.09 112.09,-16.1 85.34,-16.1
/12V Buck Boost/SW1 on Bottom: 108.09,-34.35 108.09,-21.35 98.09,-21.35 98.09,-34.35
/12V Buck Boost/SW2 on Bottom: 87.59,-34.35 87.59,-21.6 97.84,-21.6 97.84,-34.35
/12V Buck Boost/VOUT on Bottom: 124.74,-34.35 124.74,-31.1 120.99,-31.1 120.99,-34.35
/12V Buck Boost/VOUT on Bottom: 108.34,-34.35 108.34,-21.35 121.34,-21.35 121.34,-34.35
/19V Boost/Rsense on Bottom: -75.74,79.15 -48.99,79.15 -48.99,84.15 -75.74,84.15
/19V Boost/SW1 on Bottom: -52.99,65.9 -52.99,78.9 -62.99,78.9 -62.99,65.9
/19V Boost/SW2 on Bottom: -73.49,65.9 -73.49,78.65 -63.24,78.65 -63.24,65.9
/19V Boost/Vout on Bottom: -36.34,65.9 -36.34,69.15 -40.09,69.15 -40.09,65.9
/19V Boost/Vout on Bottom: -52.74,65.9 -52.74,78.9 -39.74,78.9 -39.74,65.9

## Text on the board
F.Silkscreen: 12V
